# Altium PCB controller_V1.1.PcbDoc (part 3 of 7)
Units mil, origin at the board's own origin, x right, y up, seen from the top; angles counter-clockwise.
Board outline 9606 x 5905.51 mil, 2 copper layers (Top Layer, Bottom Layer); 439 components, 370 nets, 1496 pads, 8411 vias.
Unrouted connection lines stored in the file: 1.
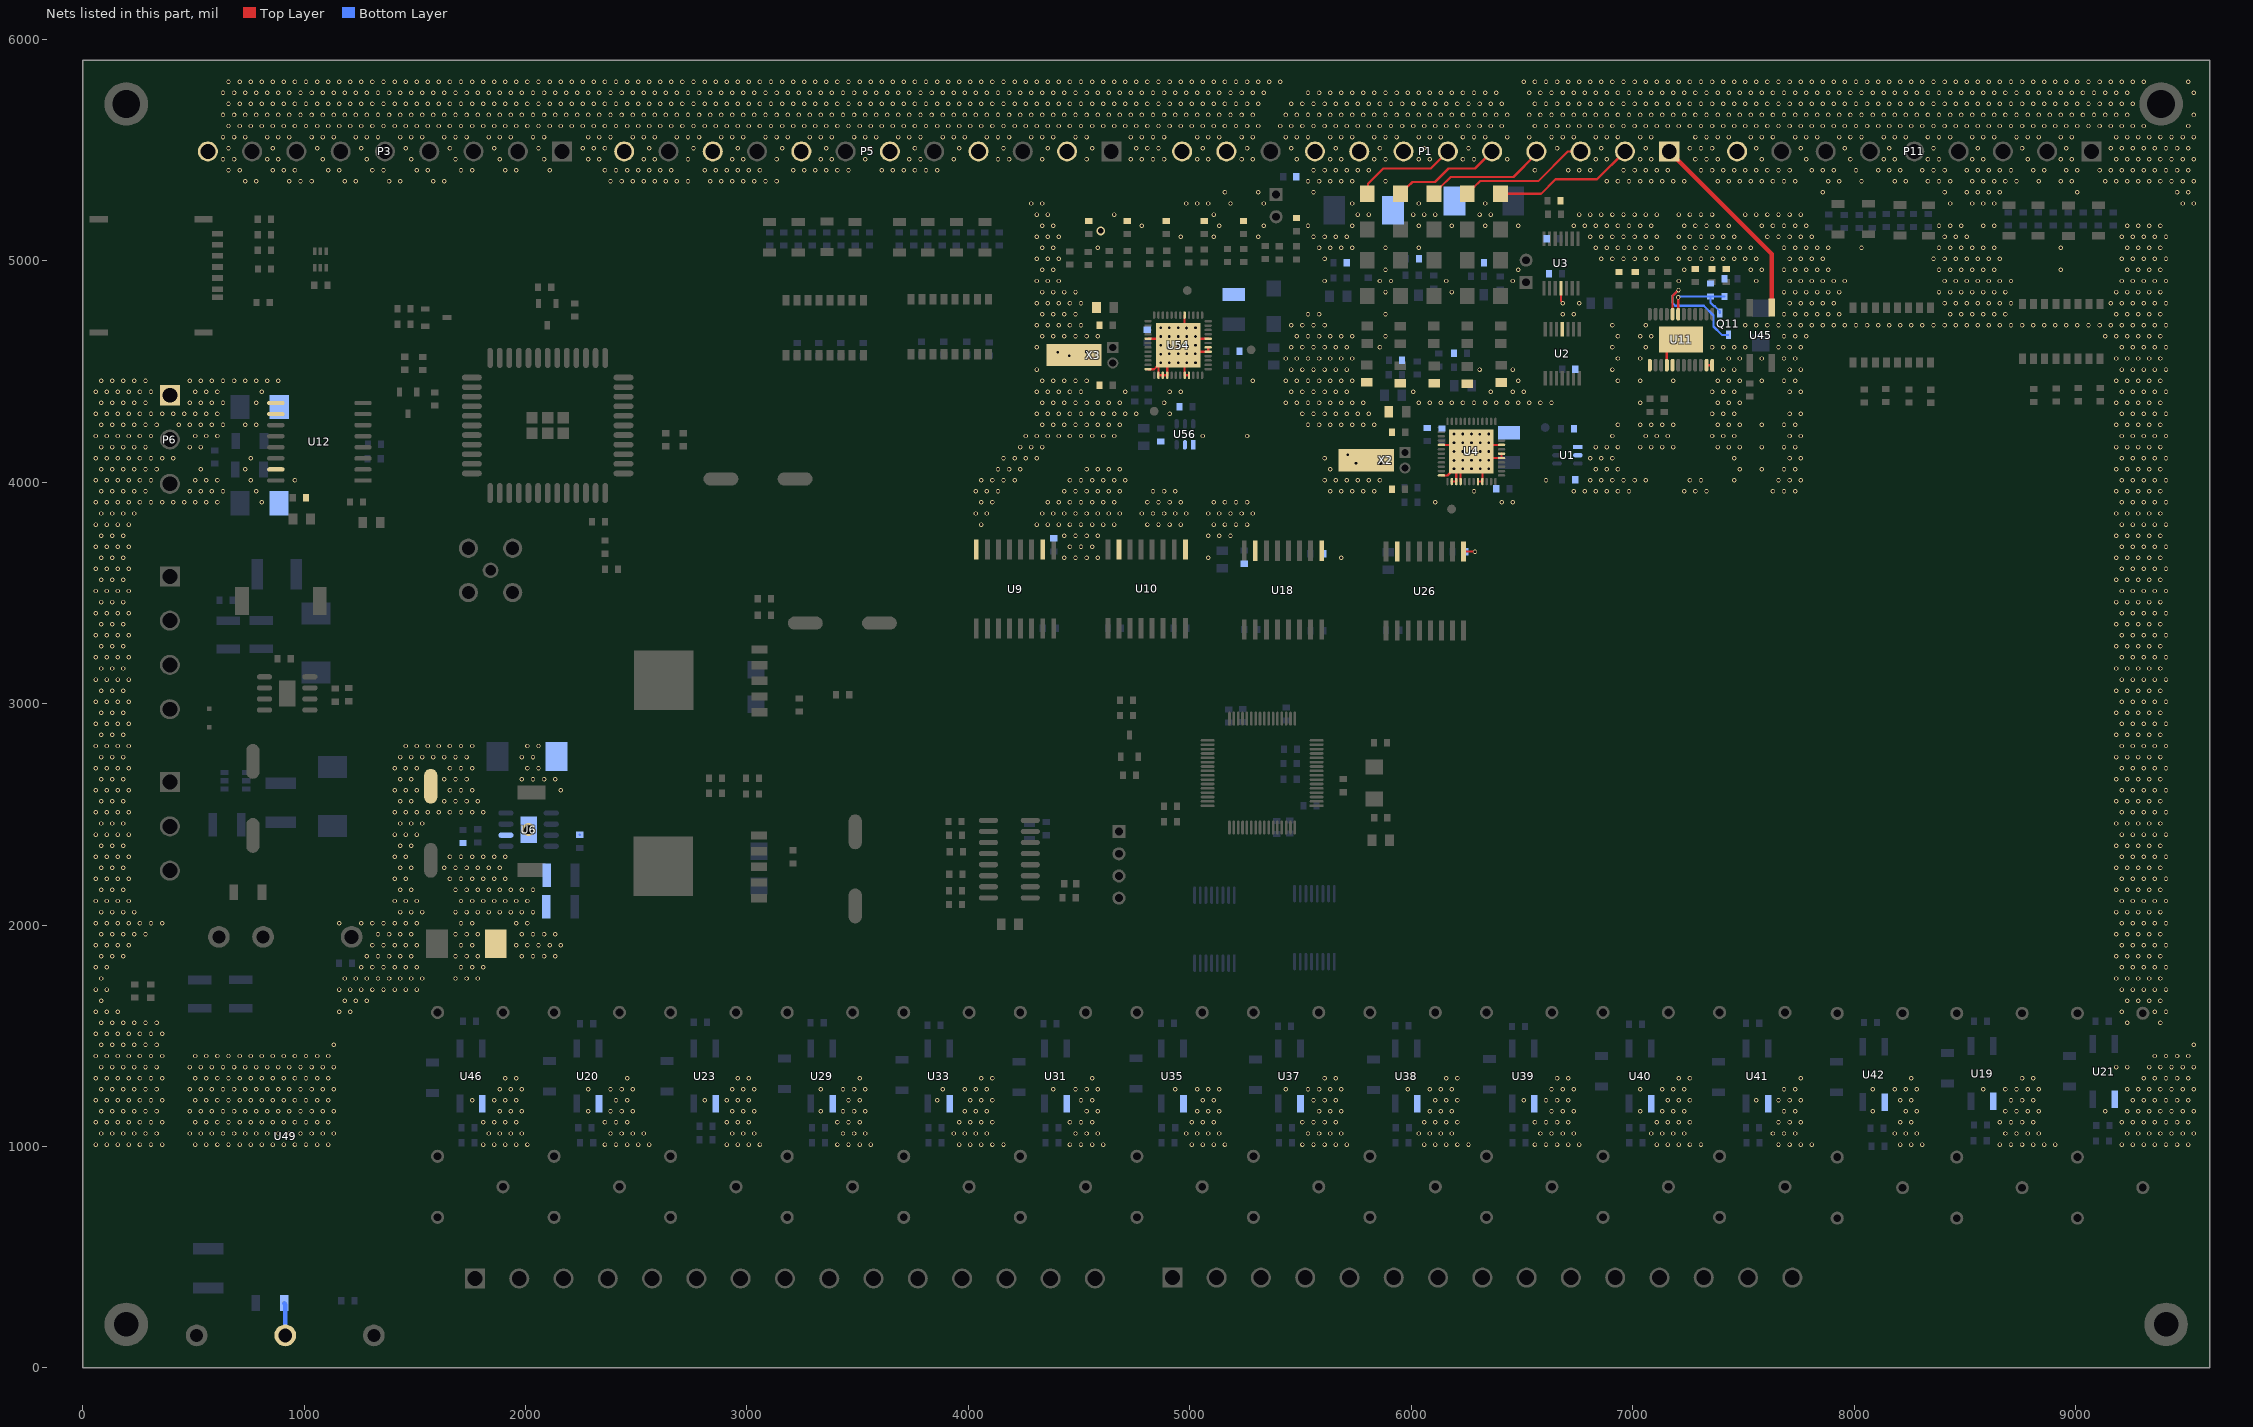
[diagram p3: the nets of this part, all layers, seen from the top]

## Via types
v1: diameter 20, hole 12, Top Layer to Bottom Layer, tented both sides, 8291 vias
v2: diameter 23.62, hole 11.81, Top Layer to Bottom Layer, 50 vias
v3: diameter 40, hole 25, Top Layer to Bottom Layer, tented both sides, 48 vias
v4: diameter 30, hole 20, Top Layer to Bottom Layer, tented both sides, 16 vias
v5: diameter 60, hole 40, Top Layer to Bottom Layer, tented both sides, 4 vias
v6: diameter 59.06, hole 39.37, Top Layer to Bottom Layer, 2 vias

## Nets (pads, with @x,y where several pads share a name; then routed paths per layer and width w, separated by ;. In a path a pad name is that pad's centre, name@x,y a point inside that pad or via, vN(x,y) a via of type N, cw(c..) or ccw(c..) an arc to the next point about the centre after c; other vN are vias at no path point) (continued)
AGND: C1.2 C2.1 C6.1 C7.1 C8.1 C17.1 C25.1 C36.1 C37.1 C38.2 C39.2 C40.1 C43.2 C46.1 C47.1 C48.2 C49.1 C54.1 C58.1 C59.2 C62.1 C67.2 C68.2 C84.1 C85.1 C86.1 C112.1 C121.1 C133.1 C138.1 C151.2 C153.2 C156.2 C157.1 C159.2 C160.1 C162.2 C164.1 C165.1 C167.1 D35.1 D52.1 D75.1 D76.1 D78.1 D79.1 E13.2 E14.2 E138.2 P1.12 P3.9 P5.2 P5.4 P5.6 P5.8 P5.10 P5.12 P6.1 P11.9 R6.1 R12.1 R14.1 R18.1 R23.1 R71.2 R89.1 R199.1 R200.1 R211.1 R212.1 R223.1 R224.1 U1.1 U1.2 U2.11 U3.11 U4.5 U4.12 U4.14 U4.15 U4.16 U4.20 U4.21 U4.29 U4.30 U4.32 U4.49 U6.6 U6.9 U9.2 U9.8 U10.9 U10.15 U11.1 U11.4 U11.5 U11.11 U11.12 U11.25 U12.9 U12.10 U12.15 U18.9 U18.15 U19.3 U20.3 U21.3 U23.3 U26.9 U26.15 U29.3 U31.3 U33.3 U35.3 U37.3 U38.3 U39.3 U40.3 U41.3 U42.3 U46.3 U49.5 U54.5 U54.12 U54.14 U54.15 U54.16 U54.20 U54.21 U54.29 U54.30 U54.32 U54.41 U54.49 U56.1 U56.2 X2.3 X3.3 | length 1820.8
  Top Layer w10: U54.12@4811.34,4510.73 4838.9,4510.73 4853.66,4525.5 4856.69,4525.5 4858.58,4523.61 U54.14@4858.58,4483.17 U54.15@4878.27,4483.17 U54.16@4897.95,4483.17 U54.49@4897.95,4569.79 ; U54.5@4811.34,4648.53 4858.58,4648.53 v2(4868.43,4658.37) ; v2(4868.43,4540.26) U54.49@4897.95,4569.79 ; U54.49@4976.69,4658.37 U54.41@4976.69,4754.83 ; v2(4986.54,4540.26) 4976.69,4530.42 U54.20@4976.69,4483.17 U54.21@4996.38,4483.17 ; v2(5024.72,4579.63) 5034.57,4589.47 U54.29@5082.99,4589.47 U54.30@5082.99,4609.16 ; U54.32@5082.99,4648.53 4976.69,4648.53 v2(4947.17,4619) v2(4907.8,4579.63) U54.49@4897.95,4569.79 ; U4.12@6136.34,4030.73 6163.9,4030.73 v2(6193.43,4060.26) 6203.27,4050.42 U4.15@6203.27,4003.17 U4.14@6183.58,4003.17 ; U4.5@6136.34,4168.53 6183.58,4168.53 v2(6193.43,4178.37) ; U4.16@6222.95,4003.17 6222.95,4050.42 v2(6232.8,4060.26) ; U26.9@6236.85,3686.87 v1(6288.13,3686.87) ; v2(6272.17,4060.26) v2(6311.54,4060.26) ; U4.20@6301.69,4003.17 U4.21@6321.38,4003.17 6321.38,4050.42 v2(6311.54,4060.26) ; v2(6349.72,4099.63) 6359.57,4109.47 U4.29@6407.99,4109.47 U4.30@6407.99,4129.16 ; v2(6350.91,4060.26) v2(6311.54,4060.26) ; v2(6350.91,4178.37) 6360.75,4168.53 U4.32@6407.99,4168.53 ; U3.11@6676,4877 6676,4819.46 6683.75,4811.71 v1(6683.75,4809) ; U11.4@7154.56,4528.84 7154.56,4589.95 7208.61,4644 U11.25@7218.54,4644 ; U11.11@7333.69,4528.84 U11.12@7359.28,4528.84
  Bottom Layer w10: C68.2@2243.85,2409 C68.2@2244.85,2408
  Bottom Layer w20: C62.1@910,293 915,288 U49.5@915,147
  other v1: 58.75,1009 108.75,1009 158.75,1009 208.75,1009 258.75,1009 308.75,1009 358.75,1009 508.75,1009 558.75,1009 608.75,1009 658.75,1009 708.75,1009 758.75,1009 808.75,1009 858.75,1009 908.75,1009 958.75,1009 1008.75,1009 1058.75,1009 1108.75,1009 1808.75,1009 1858.75,1009 1908.75,1009 1958.75,1009 2008.75,1009 2358.75,1009 2408.75,1009 2458.75,1009 2508.75,1009 2558.75,1009 2908.75,1009 2958.75,1009 3008.75,1009 3058.75,1009 3408.75,1009 3458.75,1009 3508.75,1009 3558.75,1009 3958.75,1009 4008.75,1009 4058.75,1009 4108.75,1009 4158.75,1009 4458.75,1009 4508.75,1009 4558.75,1009 4608.75,1009 5008.75,1009 5058.75,1009 5108.75,1009 5158.75,1009 5508.75,1009 5558.75,1009 5608.75,1009 5658.75,1009 5708.75,1009 6058.75,1009 6108.75,1009 6158.75,1009 6208.75,1009 6258.75,1009 6558.75,1009 6608.75,1009 6658.75,1009 6708.75,1009 6758.75,1009 7108.75,1009 7158.75,1009 7208.75,1009 7258.75,1009 7308.75,1009 7658.75,1009 7708.75,1009 7758.75,1009 7808.75,1009 8208.75,1009 8258.75,1009 8308.75,1009 8658.75,1009 8708.75,1009 8758.75,1009 8808.75,1009 8858.75,1009 8908.75,1009 9208.75,1009 9258.75,1009 9308.75,1009 9358.75,1009 9408.75,1009 9458.75,1009 9508.75,1009 83.75,1059 133.75,1059 183.75,1059 233.75,1059 283.75,1059 333.75,1059 483.75,1059 533.75,1059 583.75,1059 633.75,1059 683.75,1059 733.75,1059 783.75,1059 833.75,1059 883.75,1059 933.75,1059 983.75,1059 1033.75,1059 1083.75,1059 1133.75,1059 1833.75,1059 1883.75,1059 1933.75,1059 1983.75,1059 2383.75,1059 2433.75,1059 2483.75,1059 2533.75,1059 2933.75,1059 2983.75,1059 3033.75,1059 3433.75,1059 3483.75,1059 3533.75,1059 3933.75,1059 3983.75,1059 4033.75,1059 4083.75,1059 4483.75,1059 4533.75,1059 4583.75,1059 4983.75,1059 5033.75,1059 5083.75,1059 5133.75,1059 5533.75,1059 5583.75,1059 5633.75,1059 5683.75,1059 6033.75,1059 6083.75,1059 6133.75,1059 6183.75,1059 6583.75,1059 6633.75,1059 6683.75,1059 6733.75,1059 7083.75,1059 7133.75,1059 7183.75,1059 7233.75,1059 7633.75,1059 7683.75,1059 7733.75,1059 8183.75,1059 8233.75,1059 8283.75,1059 8683.75,1059 8733.75,1059 8783.75,1059 8833.75,1059 9233.75,1059 9283.75,1059 9333.75,1059 9383.75,1059 9433.75,1059 9483.75,1059 9533.75,1059 58.75,1109 108.75,1109 158.75,1109 208.75,1109 258.75,1109 308.75,1109 358.75,1109 508.75,1109 558.75,1109 608.75,1109 658.75,1109 708.75,1109 758.75,1109 808.75,1109 858.75,1109 908.75,1109 958.75,1109 1008.75,1109 1058.75,1109 1108.75,1109 1808.75,1109 1858.75,1109 1908.75,1109 1958.75,1109 2358.75,1109 2408.75,1109 2458.75,1109 2908.75,1109 2958.75,1109 3008.75,1109 3408.75,1109 3458.75,1109 3508.75,1109 3958.75,1109 4008.75,1109 4058.75,1109 4108.75,1109 4458.75,1109 4508.75,1109 4558.75,1109 5008.75,1109 5058.75,1109 5108.75,1109 5508.75,1109 5558.75,1109 5608.75,1109 5658.75,1109 6058.75,1109 6108.75,1109 6158.75,1109 6208.75,1109 6558.75,1109 6608.75,1109 6658.75,1109 6708.75,1109 7108.75,1109 7158.75,1109 7208.75,1109 7258.75,1109 7658.75,1109 7708.75,1109 7758.75,1109 8208.75,1109 8258.75,1109 8658.75,1109 8708.75,1109 8758.75,1109 8808.75,1109 9208.75,1109 9258.75,1109 9308.75,1109 9358.75,1109 9408.75,1109 9458.75,1109 9508.75,1109 83.75,1159 133.75,1159 183.75,1159 233.75,1159 283.75,1159 333.75,1159 483.75,1159 533.75,1159 583.75,1159 633.75,1159 683.75,1159 733.75,1159 783.75,1159 833.75,1159 883.75,1159 933.75,1159 983.75,1159 1033.75,1159 1083.75,1159 1133.75,1159 1883.75,1159 1933.75,1159 1983.75,1159 2283.75,1159 2383.75,1159 2433.75,1159 2483.75,1159 2933.75,1159 2983.75,1159 3033.75,1159 3333.75,1159 3433.75,1159 3483.75,1159 3533.75,1159 3983.75,1159 4033.75,1159 4083.75,1159 4533.75,1159 4583.75,1159 5033.75,1159 5083.75,1159 5133.75,1159 5583.75,1159 5633.75,1159 5683.75,1159 6083.75,1159 6133.75,1159 6183.75,1159 6633.75,1159 6683.75,1159 6733.75,1159 7033.75,1159 7133.75,1159 7183.75,1159 7233.75,1159 7683.75,1159 7733.75,1159 8083.75,1159 8233.75,1159 8283.75,1159 8683.75,1159 8733.75,1159 8783.75,1159 8833.75,1159 9133.75,1159 9233.75,1159 9283.75,1159 9333.75,1159 9383.75,1159 9433.75,1159 9483.75,1159 9533.75,1159 58.75,1209 108.75,1209 158.75,1209 208.75,1209 258.75,1209 308.75,1209 358.75,1209 508.75,1209 558.75,1209 608.75,1209 658.75,1209 708.75,1209 758.75,1209 808.75,1209 858.75,1209 908.75,1209 958.75,1209 1008.75,1209 1058.75,1209 1108.75,1209 1758.75,1209 1858.75,1209 1908.75,1209 1958.75,1209 2408.75,1209 2458.75,1209 2808.75,1209 2908.75,1209 2958.75,1209 3008.75,1209 3458.75,1209 3508.75,1209 3858.75,1209 4008.75,1209 4058.75,1209 4108.75,1209 4508.75,1209 4558.75,1209 5058.75,1209 5108.75,1209 5558.75,1209 5608.75,1209 5658.75,1209 6108.75,1209 6158.75,1209 6208.75,1209 6508.75,1209 6608.75,1209 6658.75,1209 6708.75,1209 7158.75,1209 7208.75,1209 7258.75,1209 7558.75,1209 7658.75,1209 7708.75,1209 7758.75,1209 8208.75,1209 8258.75,1209 8708.75,1209 8758.75,1209 8808.75,1209 9258.75,1209 9308.75,1209 9358.75,1209 9408.75,1209 9458.75,1209 9508.75,1209 83.75,1259 133.75,1259 183.75,1259 233.75,1259 283.75,1259 333.75,1259 483.75,1259 533.75,1259 583.75,1259 633.75,1259 683.75,1259 733.75,1259 783.75,1259 833.75,1259 883.75,1259 933.75,1259 983.75,1259 1033.75,1259 1083.75,1259 1133.75,1259 1883.75,1259 1933.75,1259 1983.75,1259 2283.75,1259 2383.75,1259 2433.75,1259 2483.75,1259 2933.75,1259 2983.75,1259 3033.75,1259 3333.75,1259 3433.75,1259 3483.75,1259 3533.75,1259 3883.75,1259 3983.75,1259 4033.75,1259 4083.75,1259 4383.75,1259 4483.75,1259 4533.75,1259 4583.75,1259 4933.75,1259 5033.75,1259 5083.75,1259 5133.75,1259 5433.75,1259 5533.75,1259 5583.75,1259 5633.75,1259 5683.75,1259 5983.75,1259 6083.75,1259 6133.75,1259 6183.75,1259 6633.75,1259 6683.75,1259 6733.75,1259 7033.75,1259 7133.75,1259 7183.75,1259 7233.75,1259 7683.75,1259 7733.75,1259 8083.75,1259 8183.75,1259 8233.75,1259 8283.75,1259 8583.75,1259 8683.75,1259 8733.75,1259 8783.75,1259 8833.75,1259 9233.75,1259 9283.75,1259 9333.75,1259 9383.75,1259 9433.75,1259 9483.75,1259 9533.75,1259 58.75,1309 108.75,1309 158.75,1309 208.75,1309 258.75,1309 308.75,1309 358.75,1309 508.75,1309 558.75,1309 608.75,1309 658.75,1309 708.75,1309 758.75,1309 808.75,1309 858.75,1309 908.75,1309 958.75,1309 1008.75,1309 1058.75,1309 1108.75,1309 1908.75,1309 1958.75,1309 2458.75,1309 2958.75,1309 3008.75,1309 3508.75,1309 4058.75,1309 4108.75,1309 4558.75,1309 5608.75,1309 5658.75,1309 6158.75,1309 6208.75,1309 6658.75,1309 6708.75,1309 7208.75,1309 7258.75,1309 7758.75,1309 8258.75,1309 8758.75,1309 8808.75,1309 9308.75,1309 9358.75,1309 9408.75,1309 9458.75,1309 9508.75,1309 83.75,1359 133.75,1359 183.75,1359 233.75,1359 283.75,1359 333.75,1359 483.75,1359 533.75,1359 583.75,1359 633.75,1359 683.75,1359 733.75,1359 783.75,1359 833.75,1359 883.75,1359 933.75,1359 983.75,1359 1033.75,1359 1083.75,1359 1133.75,1359 9183.75,1359 9233.75,1359 9333.75,1359 9383.75,1359 9433.75,1359 9483.75,1359 9533.75,1359 58.75,1409 108.75,1409 158.75,1409 208.75,1409 258.75,1409 308.75,1409 358.75,1409 508.75,1409 558.75,1409 608.75,1409 658.75,1409 708.75,1409 758.75,1409 808.75,1409 858.75,1409 908.75,1409 958.75,1409 1008.75,1409 1058.75,1409 1108.75,1409 9358.75,1409 9408.75,1409 9458.75,1409 9508.75,1409 83.75,1459 133.75,1459 183.75,1459 233.75,1459 283.75,1459 333.75,1459 1133.75,1459 9533.75,1459 58.75,1509 108.75,1509 158.75,1509 208.75,1509 258.75,1509 308.75,1509 358.75,1509 83.75,1559 133.75,1559 183.75,1559 233.75,1559 283.75,1559 333.75,1559 9233.75,1559 9383.75,1559 58.75,1609 108.75,1609 158.75,1609 1158.75,1609 1208.75,1609 9208.75,1609 9358.75,1609 9408.75,1609 83.75,1659 1183.75,1659 1233.75,1659 1283.75,1659 9233.75,1659 9283.75,1659 9333.75,1659 9383.75,1659 58.75,1709 108.75,1709 1158.75,1709 1208.75,1709 1258.75,1709 1308.75,1709 1358.75,1709 1408.75,1709 1458.75,1709 1508.75,1709 9208.75,1709 9258.75,1709 9308.75,1709 9358.75,1709 9408.75,1709 83.75,1759 1183.75,1759 1233.75,1759 1283.75,1759 1333.75,1759 1383.75,1759 1433.75,1759 1483.75,1759 1533.75,1759 1683.75,1759 1733.75,1759 1783.75,1759 9183.75,1759 9233.75,1759 9283.75,1759 9333.75,1759 9383.75,1759 58.75,1809 108.75,1809 1258.75,1809 1308.75,1809 1358.75,1809 1408.75,1809 1458.75,1809 1508.75,1809 1708.75,1809 1758.75,1809 1808.75,1809 9208.75,1809 9258.75,1809 9308.75,1809 9358.75,1809 9408.75,1809 83.75,1859 133.75,1859 183.75,1859 1283.75,1859 1333.75,1859 1383.75,1859 1433.75,1859 1483.75,1859 1683.75,1859 1733.75,1859 1783.75,1859 1983.75,1859 2033.75,1859 2083.75,1859 2133.75,1859 9183.75,1859 9233.75,1859 9283.75,1859 9333.75,1859 9383.75,1859 58.75,1909 108.75,1909 158.75,1909 208.75,1909 1308.75,1909 1358.75,1909 1408.75,1909 1458.75,1909 1508.75,1909 1708.75,1909 1758.75,1909 1958.75,1909 2008.75,1909 2058.75,1909 2108.75,1909 2158.75,1909 9208.75,1909 9258.75,1909 9308.75,1909 9358.75,1909 9408.75,1909 83.75,1959 133.75,1959 183.75,1959 233.75,1959 283.75,1959 1333.75,1959 1383.75,1959 1433.75,1959 1483.75,1959 1683.75,1959 1733.75,1959 1783.75,1959 1983.75,1959 2033.75,1959 2083.75,1959 2133.75,1959 9183.75,1959 9233.75,1959 9283.75,1959 9333.75,1959 9383.75,1959 58.75,2009 108.75,2009 158.75,2009 208.75,2009 258.75,2009 308.75,2009 358.75,2009 1158.75,2009 1258.75,2009 1308.75,2009 1358.75,2009 1408.75,2009 1458.75,2009 1508.75,2009 1708.75,2009 1758.75,2009 1958.75,2009 2008.75,2009 9208.75,2009 9258.75,2009 9308.75,2009 9358.75,2009 9408.75,2009 83.75,2059 133.75,2059 183.75,2059 233.75,2059 1433.75,2059 1483.75,2059 1533.75,2059 1683.75,2059 1733.75,2059 1783.75,2059 1833.75,2059 1883.75,2059 1933.75,2059 1983.75,2059 2033.75,2059 9183.75,2059 9233.75,2059 9283.75,2059 9333.75,2059 9383.75,2059 58.75,2109 108.75,2109 158.75,2109 208.75,2109 1408.75,2109 1458.75,2109 1508.75,2109 1708.75,2109 1758.75,2109 1808.75,2109 1858.75,2109 1908.75,2109 1958.75,2109 2008.75,2109 9208.75,2109 9258.75,2109 9308.75,2109 9358.75,2109 9408.75,2109 83.75,2159 133.75,2159 183.75,2159 1433.75,2159 1483.75,2159 1683.75,2159 1733.75,2159 1783.75,2159 1833.75,2159 1883.75,2159 1933.75,2159 1983.75,2159 2033.75,2159 9183.75,2159 9233.75,2159 9283.75,2159 9333.75,2159 9383.75,2159 58.75,2209 108.75,2209 158.75,2209 208.75,2209 1408.75,2209 1458.75,2209 1658.75,2209 1708.75,2209 1758.75,2209 1808.75,2209 1858.75,2209 1908.75,2209 9208.75,2209 9258.75,2209 9308.75,2209 9358.75,2209 9408.75,2209 83.75,2259 133.75,2259 183.75,2259 1433.75,2259 1483.75,2259 1633.75,2259 1683.75,2259 1733.75,2259 1783.75,2259 1833.75,2259 1883.75,2259 9183.75,2259 9233.75,2259 9283.75,2259 9333.75,2259 9383.75,2259 58.75,2309 108.75,2309 158.75,2309 208.75,2309 1408.75,2309 1458.75,2309 1658.75,2309 1708.75,2309 1758.75,2309 1808.75,2309 1858.75,2309 1908.75,2309 9208.75,2309 9258.75,2309 9308.75,2309 9358.75,2309 9408.75,2309 83.75,2359 133.75,2359 183.75,2359 1433.75,2359 1483.75,2359 9183.75,2359 9233.75,2359 9283.75,2359 9333.75,2359 9383.75,2359 58.75,2409 108.75,2409 158.75,2409 208.75,2409 1408.75,2409 1458.75,2409 1508.75,2409 9208.75,2409 9258.75,2409 9308.75,2409 9358.75,2409 9408.75,2409 83.75,2459 133.75,2459 183.75,2459 1433.75,2459 1483.75,2459 1533.75,2459 9183.75,2459 9233.75,2459 9283.75,2459 9333.75,2459 9383.75,2459 58.75,2509 108.75,2509 158.75,2509 208.75,2509 1408.75,2509 1458.75,2509 1508.75,2509 1558.75,2509 1608.75,2509 1658.75,2509 1708.75,2509 1758.75,2509 1808.75,2509 9208.75,2509 9258.75,2509 9308.75,2509 9358.75,2509 9408.75,2509 83.75,2559 133.75,2559 183.75,2559 1433.75,2559 1483.75,2559 1633.75,2559 1683.75,2559 1733.75,2559 1783.75,2559 9183.75,2559 9233.75,2559 9283.75,2559 9333.75,2559 9383.75,2559 58.75,2609 108.75,2609 158.75,2609 208.75,2609 1408.75,2609 1458.75,2609 1508.75,2609 1658.75,2609 1708.75,2609 1758.75,2609 2158.75,2609 9208.75,2609 9258.75,2609 9308.75,2609 9358.75,2609 9408.75,2609 83.75,2659 133.75,2659 183.75,2659 1433.75,2659 1483.75,2659 1633.75,2659 1683.75,2659 1733.75,2659 1983.75,2659 2033.75,2659 2083.75,2659 2133.75,2659 9183.75,2659 9233.75,2659 9283.75,2659 9333.75,2659 9383.75,2659 58.75,2709 108.75,2709 158.75,2709 208.75,2709 1408.75,2709 1458.75,2709 1508.75,2709 1658.75,2709 1708.75,2709 1758.75,2709 2008.75,2709 2058.75,2709 9208.75,2709 9258.75,2709 9308.75,2709 9358.75,2709 9408.75,2709 83.75,2759 133.75,2759 183.75,2759 1433.75,2759 1483.75,2759 1533.75,2759 1583.75,2759 1633.75,2759 1683.75,2759 1733.75,2759 1983.75,2759 2033.75,2759 9183.75,2759 9233.75,2759 9283.75,2759 9333.75,2759 9383.75,2759 58.75,2809 108.75,2809 158.75,2809 208.75,2809 1458.75,2809 1508.75,2809 1558.75,2809 1608.75,2809 1658.75,2809 1708.75,2809 1758.75,2809 2008.75,2809 2058.75,2809 9208.75,2809 9258.75,2809 9308.75,2809 9358.75,2809 9408.75,2809 83.75,2859 133.75,2859 183.75,2859 9183.75,2859 9233.75,2859 9283.75,2859 9333.75,2859 9383.75,2859 58.75,2909 108.75,2909 158.75,2909 208.75,2909 9208.75,2909 9258.75,2909 9308.75,2909 9358.75,2909 9408.75,2909 83.75,2959 133.75,2959 183.75,2959 9183.75,2959 9233.75,2959 9283.75,2959 9333.75,2959 9383.75,2959 58.75,3009 108.75,3009 158.75,3009 208.75,3009 9208.75,3009 9258.75,3009 9308.75,3009 9358.75,3009 9408.75,3009 83.75,3059 133.75,3059 183.75,3059 9183.75,3059 9233.75,3059 9283.75,3059 9333.75,3059 9383.75,3059 58.75,3109 108.75,3109 158.75,3109 208.75,3109 9208.75,3109 9258.75,3109 9308.75,3109 9358.75,3109 9408.75,3109 83.75,3159 133.75,3159 183.75,3159 9183.75,3159 9233.75,3159 9283.75,3159 9333.75,3159 9383.75,3159 58.75,3209 108.75,3209 158.75,3209 208.75,3209 9208.75,3209 9258.75,3209 9308.75,3209 9358.75,3209 9408.75,3209 83.75,3259 133.75,3259 183.75,3259 9183.75,3259 9233.75,3259 9283.75,3259 9333.75,3259 9383.75,3259 58.75,3309 108.75,3309 158.75,3309 208.75,3309 9208.75,3309 9258.75,3309 9308.75,3309 9358.75,3309 9408.75,3309 83.75,3359 133.75,3359 183.75,3359 9183.75,3359 9233.75,3359 9283.75,3359 9333.75,3359 9383.75,3359 58.75,3409 108.75,3409 158.75,3409 208.75,3409 9208.75,3409 9258.75,3409 9308.75,3409 9358.75,3409 9408.75,3409 83.75,3459 133.75,3459 183.75,3459 9183.75,3459 9233.75,3459 9283.75,3459 9333.75,3459 9383.75,3459 58.75,3509 108.75,3509 158.75,3509 208.75,3509 9208.75,3509 9258.75,3509 9308.75,3509 9358.75,3509 9408.75,3509 83.75,3559 133.75,3559 183.75,3559 9183.75,3559 9233.75,3559 9283.75,3559 9333.75,3559 9383.75,3559 58.75,3609 108.75,3609 158.75,3609 208.75,3609 9208.75,3609 9258.75,3609 9308.75,3609 9358.75,3609 9408.75,3609 83.75,3659 133.75,3659 183.75,3659 4433.75,3659 4483.75,3659 4533.75,3659 4583.75,3659 5083.75,3659 5683.75,3659 9183.75,3659 9233.75,3659 9283.75,3659 9333.75,3659 9383.75,3659 58.75,3709 108.75,3709 158.75,3709 208.75,3709 4458.75,3709 4508.75,3709 4558.75,3709 9208.75,3709 9258.75,3709 9308.75,3709 9358.75,3709 9408.75,3709 83.75,3759 133.75,3759 183.75,3759 4433.75,3759 4483.75,3759 4533.75,3759 4583.75,3759 5083.75,3759 5133.75,3759 5183.75,3759 9183.75,3759 9233.75,3759 9283.75,3759 9333.75,3759 9383.75,3759 58.75,3809 108.75,3809 158.75,3809 208.75,3809 4058.75,3809 4308.75,3809 4358.75,3809 4408.75,3809 4458.75,3809 4508.75,3809 4558.75,3809 4608.75,3809 4658.75,3809 4808.75,3809 4858.75,3809 4908.75,3809 4958.75,3809 5108.75,3809 5158.75,3809 5208.75,3809 5258.75,3809 9208.75,3809 9258.75,3809 9308.75,3809 9358.75,3809 9408.75,3809 83.75,3859 133.75,3859 183.75,3859 233.75,3859 4033.75,3859 4083.75,3859 4333.75,3859 4383.75,3859 4433.75,3859 4483.75,3859 4533.75,3859 4583.75,3859 4633.75,3859 4683.75,3859 4783.75,3859 4833.75,3859 4883.75,3859 4933.75,3859 4983.75,3859 5083.75,3859 5133.75,3859 5183.75,3859 5233.75,3859 5283.75,3859 9183.75,3859 9233.75,3859 9283.75,3859 9333.75,3859 9383.75,3859 58.75,3909 108.75,3909 158.75,3909 208.75,3909 258.75,3909 308.75,3909 358.75,3909 408.75,3909 458.75,3909 508.75,3909 558.75,3909 608.75,3909 808.75,3909 4058.75,3909 4108.75,3909 4358.75,3909 4408.75,3909 4458.75,3909 4508.75,3909 4558.75,3909 4608.75,3909 4658.75,3909 4808.75,3909 4858.75,3909 4908.75,3909 4958.75,3909 5108.75,3909 5158.75,3909 5208.75,3909 5258.75,3909 6108.75,3909 6408.75,3909 6458.75,3909 9208.75,3909 9258.75,3909 9308.75,3909 9358.75,3909 9408.75,3909 83.75,3959 133.75,3959 183.75,3959 233.75,3959 283.75,3959 483.75,3959 533.75,3959 583.75,3959 633.75,3959 783.75,3959 4033.75,3959 4083.75,3959 4133.75,3959 4433.75,3959 4483.75,3959 4533.75,3959 4583.75,3959 4633.75,3959 4683.75,3959 4833.75,3959 4883.75,3959 4933.75,3959 5633.75,3959 5683.75,3959 5733.75,3959 5783.75,3959 5833.75,3959 6283.75,3959 6733.75,3959 6783.75,3959 6833.75,3959 6883.75,3959 6933.75,3959 6983.75,3959 7233.75,3959 7283.75,3959 7333.75,3959 7633.75,3959 7683.75,3959 7733.75,3959 9183.75,3959 9233.75,3959 9283.75,3959 9333.75,3959 9383.75,3959 58.75,4009 108.75,4009 158.75,4009 208.75,4009 258.75,4009 308.75,4009 508.75,4009 558.75,4009 608.75,4009 758.75,4009 958.75,4009 4058.75,4009 4108.75,4009 4158.75,4009 4208.75,4009 4458.75,4009 4508.75,4009 4558.75,4009 4608.75,4009 4658.75,4009 4708.75,4009 5608.75,4009 5658.75,4009 5708.75,4009 5758.75,4009 5808.75,4009 5858.75,4009 6608.75,4009 6808.75,4009 6858.75,4009 6908.75,4009 6958.75,4009 7008.75,4009 7058.75,4009 7258.75,4009 7308.75,4009 7458.75,4009 7658.75,4009 7708.75,4009 7758.75,4009 9208.75,4009 9258.75,4009 9308.75,4009 9358.75,4009 9408.75,4009 83.75,4059 133.75,4059 183.75,4059 233.75,4059 283.75,4059 333.75,4059 533.75,4059 733.75,4059 4133.75,4059 4183.75,4059 4233.75,4059 4533.75,4059 4583.75,4059 4633.75,4059 4683.75,4059 5633.75,4059 6833.75,4059 6883.75,4059 6933.75,4059 7483.75,4059 7583.75,4059 7683.75,4059 7733.75,4059 9183.75,4059 9233.75,4059 9283.75,4059 9333.75,4059 9383.75,4059 5861,4084 5751,4086 58.75,4109 108.75,4109 158.75,4109 208.75,4109 258.75,4109 308.75,4109 358.75,4109 408.75,4109 758.75,4109 4158.75,4109 4208.75,4109 4258.75,4109 4308.75,4109 5608.75,4109 6808.75,4109 6858.75,4109 6908.75,4109 7458.75,4109 7708.75,4109 7758.75,4109 9208.75,4109 9258.75,4109 9308.75,4109 9358.75,4109 9408.75,4109 5714,4124 83.75,4159 133.75,4159 183.75,4159 233.75,4159 283.75,4159 483.75,4159 533.75,4159 4233.75,4159 4283.75,4159 4333.75,4159 6833.75,4159 6883.75,4159 6933.75,4159 7033.75,4159 7083.75,4159 7133.75,4159 7183.75,4159 7383.75,4159 7433.75,4159 7483.75,4159 7583.75,4159 7683.75,4159 7733.75,4159 9183.75,4159 9233.75,4159 9283.75,4159 9333.75,4159 9383.75,4159 58.75,4209 108.75,4209 158.75,4209 208.75,4209 258.75,4209 308.75,4209 508.75,4209 558.75,4209 608.75,4209 4258.75,4209 4308.75,4209 4358.75,4209 4408.75,4209 4458.75,4209 4508.75,4209 4558.75,4209 4608.75,4209 4658.75,4209 5058.75,4209 5258.75,4209 6908.75,4209 7058.75,4209 7108.75,4209 7158.75,4209 7358.75,4209 7408.75,4209 7458.75,4209 7708.75,4209 7758.75,4209 9208.75,4209 9258.75,4209 9308.75,4209 9358.75,4209 9408.75,4209 83.75,4259 133.75,4259 183.75,4259 233.75,4259 283.75,4259 333.75,4259 433.75,4259 483.75,4259 533.75,4259 583.75,4259 633.75,4259 733.75,4259 783.75,4259 4333.75,4259 4383.75,4259 4433.75,4259 4483.75,4259 4533.75,4259 4583.75,4259 4633.75,4259 4683.75,4259 5533.75,4259 5583.75,4259 5633.75,4259 5683.75,4259 5733.75,4259 5783.75,4259 5833.75,4259 6933.75,4259 7033.75,4259 7083.75,4259 7133.75,4259 7183.75,4259 7383.75,4259 7433.75,4259 7483.75,4259 7583.75,4259 7683.75,4259 7733.75,4259 9183.75,4259 9233.75,4259 9283.75,4259 9333.75,4259 9383.75,4259 58.75,4309 108.75,4309 158.75,4309 208.75,4309 258.75,4309 308.75,4309 358.75,4309 408.75,4309 458.75,4309 508.75,4309 558.75,4309 608.75,4309 4308.75,4309 4358.75,4309 4408.75,4309 4458.75,4309 4508.75,4309 4558.75,4309 4608.75,4309 4658.75,4309 4708.75,4309 4758.75,4309 4908.75,4309 5508.75,4309 5558.75,4309 5608.75,4309 5658.75,4309 5708.75,4309 5758.75,4309 5808.75,4309 7358.75,4309 7408.75,4309 7458.75,4309 7708.75,4309 7758.75,4309 9208.75,4309 9258.75,4309 9308.75,4309 9358.75,4309 9408.75,4309 83.75,4359 133.75,4359 183.75,4359 233.75,4359 283.75,4359 483.75,4359 533.75,4359 583.75,4359 633.75,4359 783.75,4359 4333.75,4359 4383.75,4359 4433.75,4359 4483.75,4359 4533.75,4359 4583.75,4359 4633.75,4359 4683.75,4359 4883.75,4359 5433.75,4359 5483.75,4359 5533.75,4359 5583.75,4359 5633.75,4359 5683.75,4359 